# Altium PCB Napelem_inverter.PcbDoc (part 1 of 2)
Units mil, origin at the board's own origin, x right, y up, seen from the top; angles counter-clockwise.
Board outline 6000 x 4000 mil, 2 copper layers (Top Layer, Bottom Layer); 291 components, 168 nets, 931 pads, 64 vias.
Unrouted connection lines stored in the file: 608.
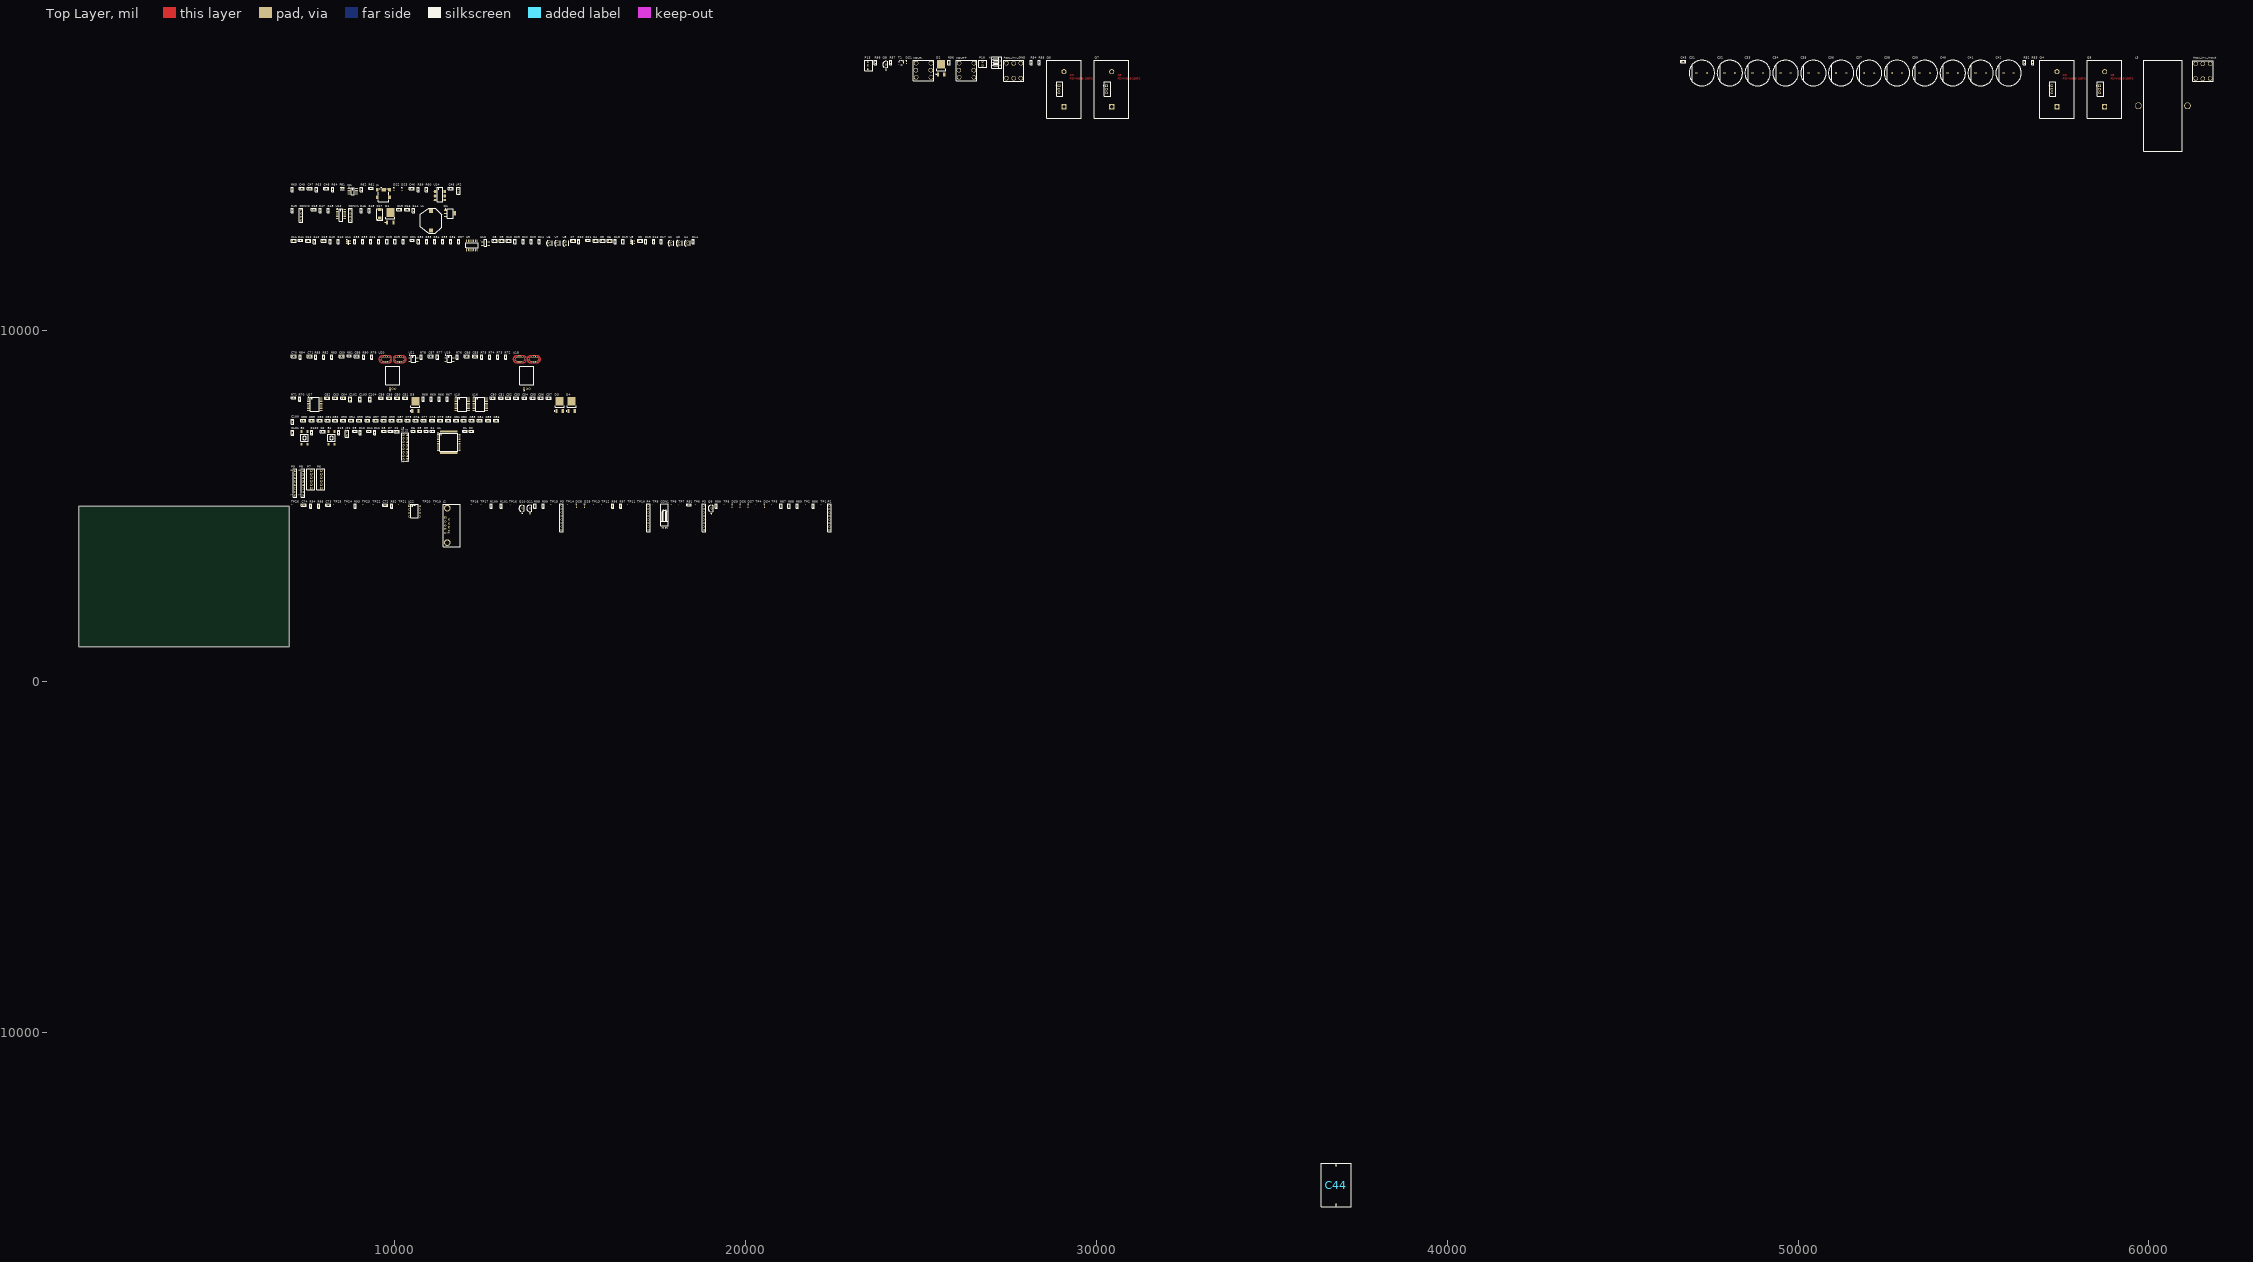
[diagram p0: Top Layer view]
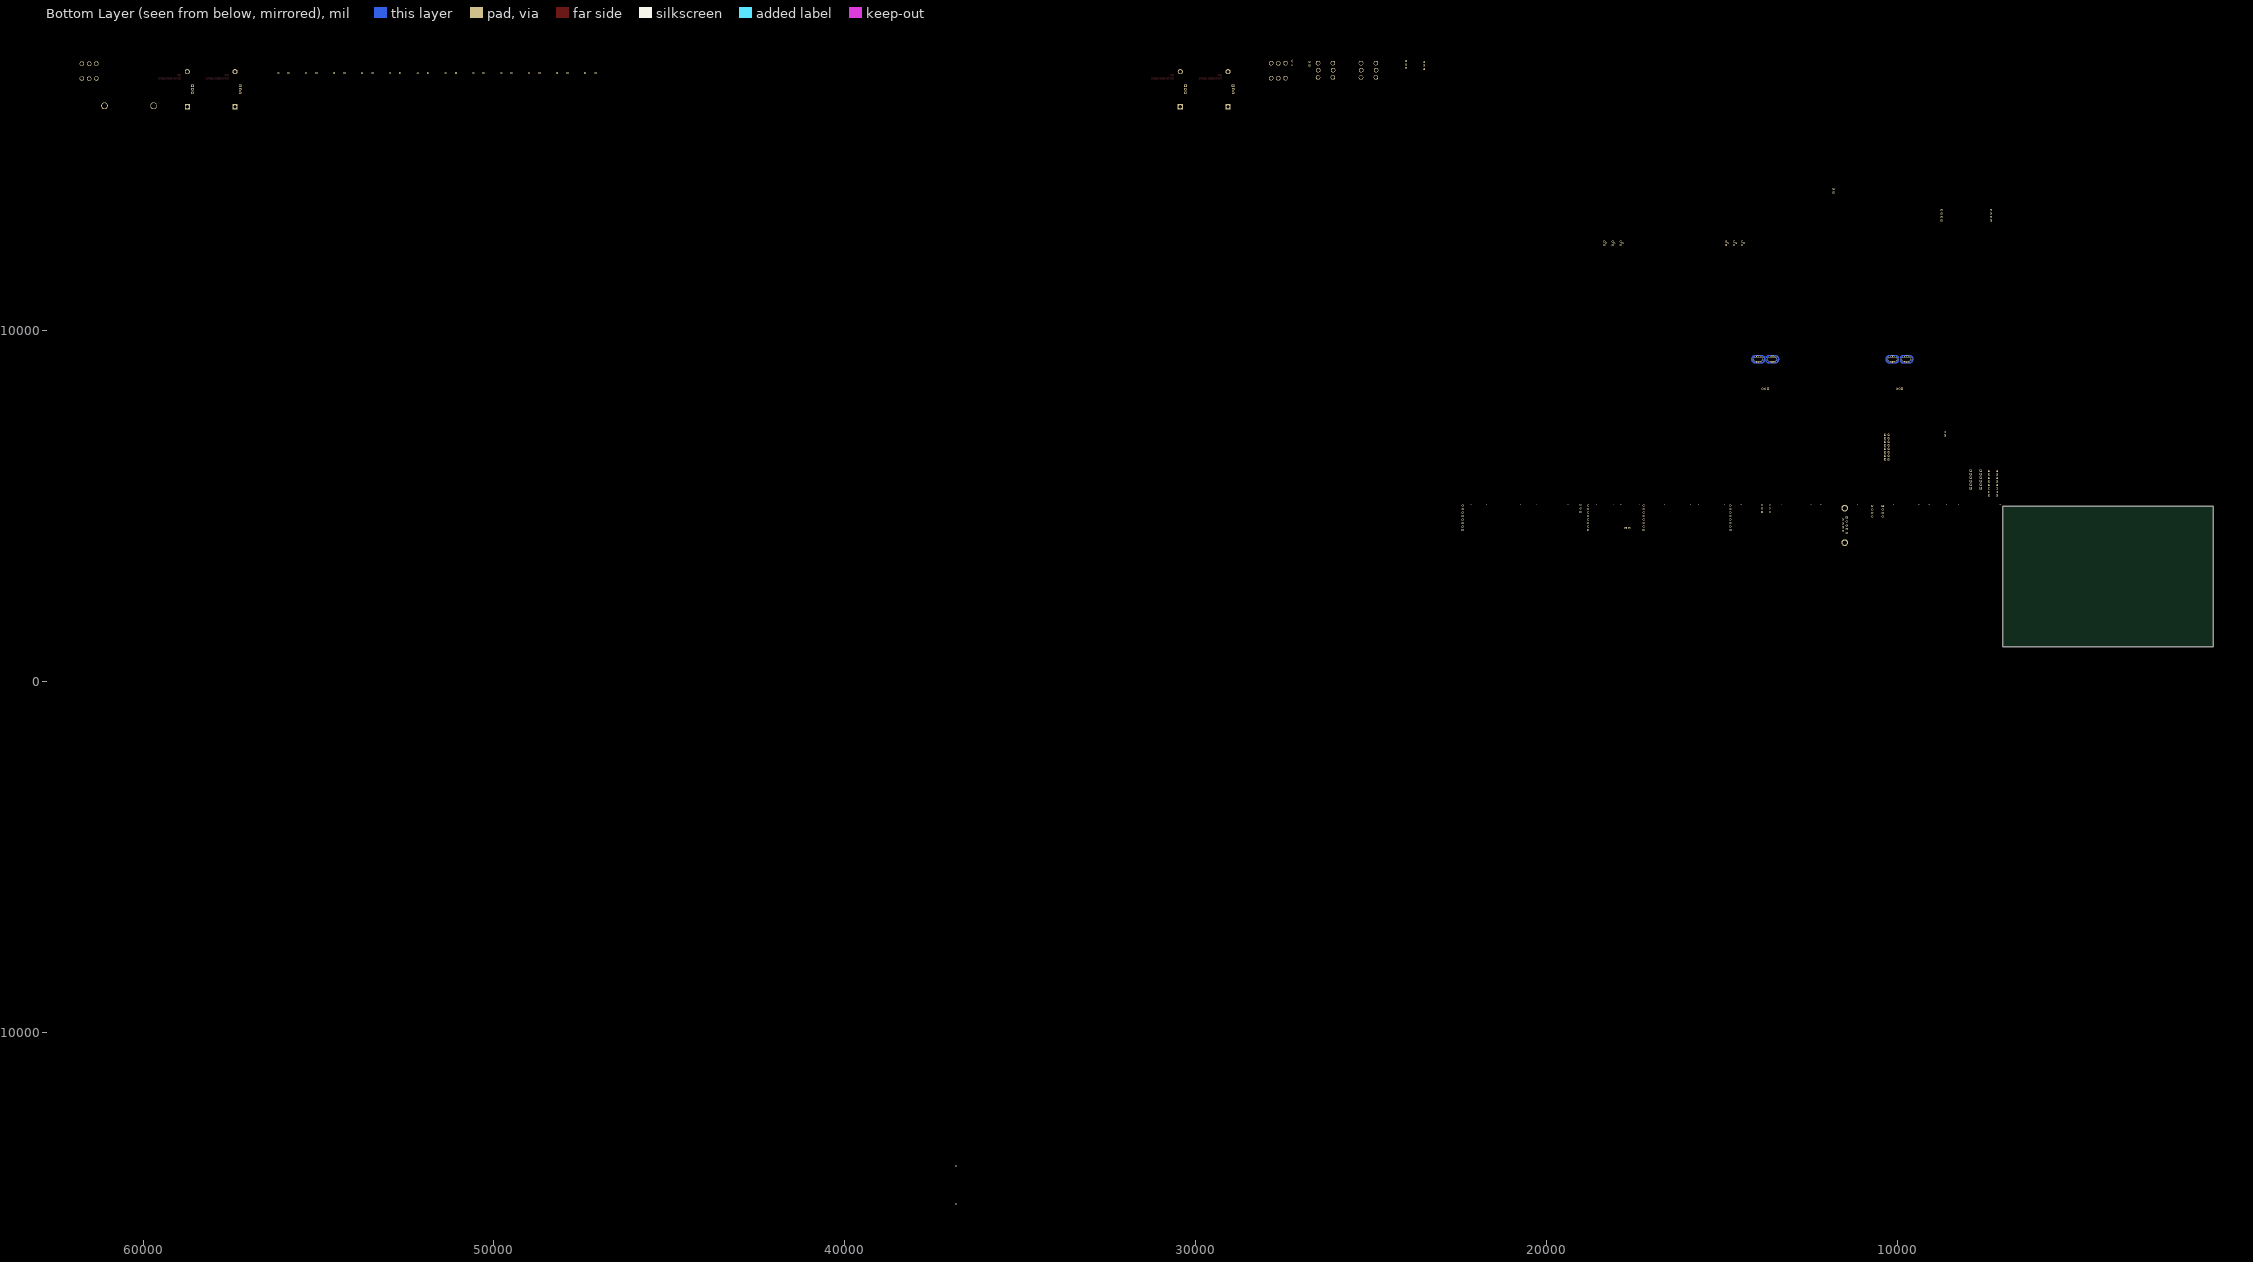
[diagram p1: Bottom Layer view, seen from below]

## Layer stack, top to bottom
Top Solder: solder mask 0.4, Solder Resist, Dk 3.5
Top Layer: signal copper 1.4
Dielectric 1: dielectric 12.6, FR-4, Dk 4.8
Bottom Layer: signal copper 1.4
Bottom Solder: solder mask 0.4, Solder Resist, Dk 3.5

## Board outline
1000,1000 7000,1000 7000,5000 1000,5000

## Design rules (kind name [scope] priority, off if disabled: settings)
Clearance [All] p1: gap=10 ignorepadtopadclearanceinfootprint=FALSE except(0: Arc-Hole Track-Hole SMDPad-Hole THPad-Hole Via-Hole Fill-Hole Poly-Hole Region-Hole Text-Hole)
PolygonConnect [All] p1: connectstyle=Relief reliefconductorwidth=10 reliefentries=4 polygonreliefangle="90 Angle" airgapwidth=10
RoomDefinition USB_and_FTDI [InComponentClass('USB_and_FTDI')] p1: confinementstyle=ConfineIn formatcopy=TRUE lockcomponents=FALSE outline 7045,13660 11950,13660 11950,14210 7045,14210
RoomDefinition PowerSupply [InComponentClass('PowerSupply')] p2: confinementstyle=ConfineIn formatcopy=TRUE lockcomponents=FALSE outline 7045,12765 11780,12765 11780,13610 7045,13610
RoomDefinition Measurements [InComponentClass('Measurements')] p3: confinementstyle=ConfineIn formatcopy=TRUE lockcomponents=FALSE outline 7045,12260 18660,12260 18660,12720 7045,12720
RoomDefinition Inverter [InComponentClass('Inverter')] p4: confinementstyle=ConfineIn formatcopy=TRUE lockcomponents=FALSE outline 23380,4670.43 62060,4670.43 62060,37475.43 23380,37475.43
RoomDefinition Hall_sensor [InComponentClass('Hall_sensor')] p5: confinementstyle=ConfineIn formatcopy=TRUE lockcomponents=FALSE outline 7045,8285 14180,8285 14180,9430 7045,9430
RoomDefinition Gate-Driver [InComponentClass('Gate-Driver')] p6: confinementstyle=ConfineIn formatcopy=TRUE lockcomponents=FALSE outline 7045,7645 15190,7645 15190,8235 7045,8235
RoomDefinition DSP_Supply [InComponentClass('DSP_Supply')] p7: confinementstyle=ConfineIn formatcopy=TRUE lockcomponents=FALSE outline 7045,7335 13010,7335 13010,7595 7045,7595
RoomDefinition DSP [InComponentClass('DSP')] p8: confinementstyle=ConfineIn formatcopy=TRUE lockcomponents=FALSE outline 7045,6230 12265,6230 12265,7280 7045,7280
RoomDefinition Display [InComponentClass('Display')] p9: confinementstyle=ConfineIn formatcopy=TRUE lockcomponents=FALSE outline 7045,5240 8030,5240 8030,6180 7045,6180
RoomDefinition Connectors [InComponentClass('Connectors')] p10: confinementstyle=ConfineIn formatcopy=TRUE lockcomponents=FALSE outline 7045,3835 22470,3835 22470,5185 7045,5185
RoutingVias [All] p1: holewidth=28 width=50 viastyle="Through Hole" minholewidth=28 minwidth=50 maxholewidth=28 maxwidth=50
SolderMaskExpansion [All] p1: expansion=4 istentingtop=FALSE
Width [All] p1: maxlimit=10 minlimit=10 preferedwidth=10
30 further rules are at their usual default settings.

## Classes and differential pairs
component class USB_and_FTDI: C45 C46 C47 C48 C49 DS2 DS3 FB1 IC1 J1 JP2 R59 R60 R61 R62 R63 R64 R65 U14
component class PowerSupply: C14 C15 C16 C17 C18 CONV1 CONV2 D1 L1 Q1 R44 R45 R46 R47 R48 R49 U12
component class Measurements: C3 C4 C5 C6 C7 C8 C9 C10 C11 C12 C13 R14 R15 R16 R17 R18 R19 R20 R21 R22 R23 R24 R25 R26 R27 R28 R29 R30 R31 R32 R33 R34 R35 R36 R37 R38 R39 R40 R41 R42 R43 U2 U3 U4 U5 U6 U7 U8 U9 U10 U11
component class Inverter: Accu_Inv_GND Accu_Inv_Input C31 C32 C33 C34 C35 C36 C37 C38 C39 C40 C41 C42 C43 C44 D2 DS1 K L3 P10 P13 Q4 Q5 Q6 Q7 Q8 R52 R53 R54 R55 R56 R57 R58 T1 VOUT+ VOUT-
component class Hall_sensor: C65 C66 C67 C68 C69 C70 C71 R72 R73 R74 R75 R76 R77 R78 R79 R80 R81 R82 R83 R84 R85 U18 U19 U20 U21
component class Gate-Driver: C50 C51 C52 C53 C54 C55 C56 C57 C58 C59 C60 C61 C62 C63 C64 C102 C103 C104 D3 D4 D5 R66 R67 R68 R69 R70 R71 U15 U16 U17
component class DSP: B1 B2 C1 C2 C101 J3 JP1 R1 R2 R3 R4 R5 R6 R7 R8 R9 R10 R11 R12 R13 R102 U1
component class DSP_Supply: C75 C76 C77 C78 C79 C80 C81 C82 C83 C84 C85 C86 C87 C88 C89 C90 C91 C92 C93 C94 C95 C96 C97 C98 C99 C100
component class Display: P6 P7 P8 P9
component class Connectors: C72 C73 C74 CON1 DS4 DS5 DS6 DS7 DS8 DS9 J2 P2 P3 P4 P5 Q9 Q10 Q11 R86 R87 R88 R89 R90 R91 R92 R93 R94 R95 R96 R97 R98 R99 R100 R101 TP1 TP2 TP3 TP4 TP5 TP6 TP7 TP8 TP9 TP10 TP11 TP12 TP13 TP14 TP15 TP16 TP17 TP18 TP19 TP20 TP21 TP22 TP23 TP24 TP25 TP26 U22
component class BoostConverter: F1

## Components (designator, comment, footprint, x,y, rotation, side; value= is the part's Value field where it differs from the comment)
Accu_Inv_GND "Terminal_PCB" Terminal_PCB_7798 27645,17415.43 r90 top
Accu_Inv_Input "Terminal_PCB" Terminal_PCB_7798 61540,17405.43 r90 top
B1 "Button" FP_BTN_SMD 8205,6950 r0 top
B2 "Button" FP_BTN_SMD 7435,6950 r0 top
C1 "100nF" FP_0805_CAP_085 10070,7130 r0 top
C2 "100nF" FP_0805_CAP_085 7960,7130 r0 top
C3 "2.2nF" FP_0805_CAP_085 17005,12570 r0 top
C4 "22uF" FP_0805_CAP_085 15730,12570 r0 top
C5 "22uF" FP_0805_CAP_085 15930,12570 r0 top
C6 "22uF" FP_0805_CAP_085 16130,12570 r0 top
C7 "2.2nF" FP_0805_CAP_085 15090,12570 r0 top
C8 "22uF" FP_0805_CAP_085 12860,12570 r0 top
C9 "22uF" FP_0805_CAP_085 13060,12570 r0 top
C10 "22uF" FP_0805_CAP_085 13255,12570 r0 top
C11 "2,2nF" FP_0805_CAP_085 7125,12570 r0 top
C12 "2,2nF" FP_0805_CAP_085 7540,12570 r0 top
C13 "2,2nF" FP_0805_CAP_085 7990,12570 r0 top
C15 "220nF" FP_0805_CAP_085 10140,13460 r0 top
C16 "220nF" FP_0805_CAP_085 10360,13460 r0 top
C17 "T491X107K020AT" KEMT-7343-43_L 9580,13340 r90 top
C18 "2.2nF" FP_0805_CAP_085 7705,13460 r0 top
C31 "330 uF" FP-LXW18X25-MFG 47260,17350.43 r0 top
C32 "330 uF" FP-LXW18X25-MFG 48055,17350.43 r0 top
C33 "330 uF" FP-LXW18X25-MFG 48850,17350.43 r0 top
C34 "330 uF" FP-LXW18X25-MFG 49645,17350.43 r0 top
C35 "330 uF" FP-LXW18X25-MFG 50440,17350.43 r0 top
C36 "330 uF" FP-LXW18X25-MFG 51230,17350.43 r0 top
C37 "330 uF" FP-LXW18X25-MFG 52025,17350.43 r0 top
C38 "330 uF" FP-LXW18X25-MFG 52820,17350.43 r0 top
C39 "330 uF" FP-LXW18X25-MFG 53615,17350.43 r0 top
C40 "330 uF" FP-LXW18X25-MFG 54410,17350.43 r0 top
C41 "330 uF" FP-LXW18X25-MFG 55205,17350.43 r0 top
C42 "330 uF" FP-LXW18X25-MFG 56000,17350.43 r0 top
C43 "220nF" FP_0805_CAP_085 46730,17680.43 r0 top
C44 "CAP_AC_68uF" Capacitor_AC_68_uF -83664,105619.43 r90 top
C45 "100nF" FP_0805_CAP_085 11605,14060 r0 top
C46 "100nF" FP_0805_CAP_085 10490,14060 r0 top
C47 "100nF" FP_0805_CAP_085 7590,14060 r0 top
C48 "100pF" FP_0805_CAP_085 8050,14060 r0 top
C49 "10nF" FP_0805_CAP_085 7355,14060 r0 top
C50 "100nF" FP_0805_CAP_085 12805,8085 r0 top
C51 "1uF" FP_0805_CAP_085 13035,8085 r0 top
C52 "100nF" FP_0805_CAP_085 13245,8085 r0 top
C53 "1uF" FP_0805_CAP_085 13475,8085 r0 top
C54 "100nF" FP_0805_CAP_085 13705,8085 r0 top
C55 "1uF" FP_0805_CAP_085 13935,8085 r0 top
C56 "100nF" FP_0805_CAP_085 14165,8085 r0 top
C57 "1uF" FP_0805_CAP_085 14395,8085 r0 top
C58 "100nF" FP_0805_CAP_085 9615,8085 r0 top
C59 "1uF" FP_0805_CAP_085 9845,8085 r0 top
C60 "100nF" FP_0805_CAP_085 10075,8085 r0 top
C61 "1uF" FP_0805_CAP_085 10305,8085 r0 top
C62 "100nF" FP_0805_CAP_085 8080,8085 r0 top
C63 "100nF" FP_0805_CAP_085 8315,8085 r0 top
C64 "100nF" FP_0805_CAP_085 8545,8085 r0 top
C65 "1nF" FP_0805_CAP_085 12295,9280 r0 top
C66 "100nF" FP_0805_CAP_085 12060,9280 r0 top
C67 "100nF" FP_0805_CAP_085 11035,9280 r0 top
C68 "100nF" FP_0805_CAP_085 8930,9280 r0 top
C69 "68nF" FP_0805_CAP_085 8490,9280 r0 top
C70 "100nF" FP_0805_CAP_085 7125,9280 r0 top
C71 "100nF" FP_0805_CAP_085 7590,9280 r0 top
C72 "100pF" FP_0805_CAP_085 9730,5035 r0 top
C73 "30pF" FP_0805_CAP_085 8110,5035 r0 top
C74 "100nF" FP_0805_CAP_085 7420,5035 r0 top
C75 "2.2uF" FP_0805_CAP_085 10380,7445 r0 top
C76 "100nF" FP_0805_CAP_085 10610,7445 r0 top
C77 "2.2uF" FP_0805_CAP_085 10840,7445 r0 top
C78 "100nF" FP_0805_CAP_085 11070,7445 r0 top
C79 "2.2uF" FP_0805_CAP_085 11300,7445 r0 top
C80 "100nF" FP_0805_CAP_085 11530,7445 r0 top
C81 "2.2uF" FP_0805_CAP_085 11760,7445 r0 top
C82 "100nF" FP_0805_CAP_085 11970,7445 r0 top
C83 "2.2uF" FP_0805_CAP_085 12205,7445 r0 top
C84 "100nF" FP_0805_CAP_085 12435,7445 r0 top
C85 "2.2uF" FP_0805_CAP_085 12665,7445 r0 top
C86 "100nF" FP_0805_CAP_085 12895,7445 r0 top
C87 "100nF" FP_0805_CAP_085 10150,7445 r0 top
C88 "1uF" FP_0805_CAP_085 7405,7445 r0 top
C89 "100nF" FP_0805_CAP_085 7635,7445 r0 top
C90 "1uF" FP_0805_CAP_085 7870,7445 r0 top
C91 "100nF" FP_0805_CAP_085 8100,7445 r0 top
C92 "1uF" FP_0805_CAP_085 8310,7445 r0 top
C93 "100nF" FP_0805_CAP_085 8540,7445 r0 top
C94 "1uF" FP_0805_CAP_085 8770,7445 r0 top
C95 "100nF" FP_0805_CAP_085 9000,7445 r0 top
C96 "1uF" FP_0805_CAP_085 9230,7445 r0 top
C97 "100nF" FP_0805_CAP_085 9460,7445 r0 top
C98 "1uF" FP_0805_CAP_085 9690,7445 r0 top
C99 "100nF" FP_0805_CAP_085 9920,7445 r0 top
C100 "100nF" FP_0805_CAP_085 7095,7415 r90 top
C101 "100nF" FP_0805_CAP_085 7095,7100 r90 top
C102 "100nF" FP_0805_CAP_085 8740,8055 r90 top
C103 "100nF" FP_0805_CAP_085 9020,8055 r90 top
C104 "100nF" FP_0805_CAP_085 9300,8055 r90 top
CON1 "Connector" FP_CONN2_TAP_254MM_90 17745,4380 r90 top
CONV1 "DCDC_converter_4pin" FP_CONN4_TUSKE_254MM 8745,13145 r0 top
CONV2 "DCDC_converter_4pin" FP_CONN4_TUSKE_254MM 7340,13145 r0 top
D1 "MBRD360T4G" ONSC-DPAK-3-369C-01_V 9880,13265 r90 top
D2 "MBRD360T4G" ONSC-DPAK-3-369C-01_V 25580,17485.43 r90 top
D3 "MBRD360T4G" ONSC-DPAK-3-369C-01_V 14705,7890 r90 top
D4 "MBRD360T4G" ONSC-DPAK-3-369C-01_V 15045,7890 r90 top
D5 "MBRD360T4G" ONSC-DPAK-3-369C-01_V 10595,7890 r90 top
DS1 "HSMG-C190" AVAG-HSMX-C190_V 24590,17650.43 r90 top
DS2 "HSMG-C190" AVAG-HSMX-C190_V 9980,14030 r90 top
DS3 "RED-HSMS-C190" AVAG-HSMX-C190_V 10210,14030 r90 top
DS4 "RED-HSMS-C190" AVAG-HSMX-C190_V 20540,5005 r90 top
DS5 "HSMG-C190" AVAG-HSMX-C190_V 19620,5005 r90 top
DS6 "HSMG-C190" AVAG-HSMX-C190_V 19850,5005 r90 top
DS7 "HSMG-C190" AVAG-HSMX-C190_V 20080,5005 r90 top
DS8 "RED-HSMS-C190" AVAG-HSMX-C190_V 15185,5005 r90 top
DS9 "RED-HSMS-C190" AVAG-HSMX-C190_V 15415,5005 r90 top
FB1 "BLM18SG221TN1D" FP-BLM18-0_15-t0_5-IPC_A 8515,14060 r0 top
IC1 "USB6B1" "INF-P-DSO-8-3_M - duplicate1" 8810,13980 r0 top
J1 "USB_MIN" FCI-10033526-N3212LF_V 9685,13915 r0 top
J2 "618009231121" 618009231121 11630,4460 r90 top
J3 "61301621121" 61301621121 10305,6690 r90 top
JP1 "JUMPER" FP_CONN2_TUSKE_254MM 8650,7020 r0 top
JP2 "JUMPER" FP_CONN2_TUSKE_254MM 11820,13950 r0 top
K "RELAY_SRD-05VDC-SL-C" FP_CONN3_2MM_90 27265,17575.43 r90 top
L1 "47 uH/2.6 A" "Tekercs_B82479-A1473-M - duplicate" 11040,13140 r90 top
L3 "Coil" Tekercs_E65_FERRITE 60400,16415.43 r0 top value="14.9 uF"
P2 "Header 8" HDR1X8 22395,4325 r90 top
P3 "Header 8" HDR1X8 18815,4325 r90 top
P4 "Header 8" HDR1X8 17235,4325 r90 top
P5 "Header 8" HDR1X8 14765,4325 r90 top
P6 "640456-6" TECO-640456-6_V 7915,5520 r90 top
P7 "640456-6" TECO-640456-6_V 7630,5520 r90 top
P8 "61300811121" 61300811121 7390,5660 r90 top
P9 "61300811121" 61300811121 7165,5660 r90 top
P10 "Output Connector" FP_CONN2_TAP_254MM 26755,17570.43 r0 top
P13 "Connector" FP_CONN3_TAP_254MM 23495,17470.43 r0 top
Q1 "BSP613P" INF-PG-SOT223_SC-73_M 11585,13350 r0 top
Q4 "PSMN8R5-100PS" FP-TO-220AB-MFG 57260,16890.43 r0 top
Q5 "PSMN8R5-100PS" FP-TO-220AB-MFG 58620,16890.43 r0 top
Q6 "PSMN8R5-100PS" FP-TO-220AB-MFG 28960,16890.43 r0 top
Q7 "PSMN8R5-100PS" FP-TO-220AB-MFG 30320,16890.43 r0 top
Q8 "BC548BRL1G" ONSC-TO-92-3-29-11_AM_BL 24005,17590.43 r90 top
Q9 "BC548B" ONSC-TO-92-3-29-11_AM_BL 19030,4945 r90 top
Q10 "BC548B" ONSC-TO-92-3-29-11_AM_BL 13640,4945 r90 top
Q11 "BC548B" ONSC-TO-92-3-29-11_AM_BL 13860,4945 r90 top
R1 "4.7K" FP_0603_RES 12010,7140 r0 top
R2 "4.7K" FP_0603_RES 12190,7140 r0 top
R3 "4.7K" FP_0603_RES 10905,7140 r0 top
R4 "4.7K" FP_0603_RES 11085,7140 r0 top
R5 "4.7K" FP_0603_RES 10720,7140 r0 top
R6 "4.7K" FP_0603_RES 10535,7140 r0 top
R7 "4.7K" FP_0603_RES 9880,7140 r0 top
R8 "1K" FP_0603_RES 9695,7140 r0 top
R9 "2.2K" FP_0603_RES 8870,7140 r0 top
R10 "4.7K" FP_0603_RES 9020,7105 r90 top
R11 "4.7K" FP_0603_RES 9275,7140 r0 top
R12 "4.7K" FP_0603_RES 9440,7105 r90 top
R13 "100" FP_0603_RES 8410,7105 r90 top
R14 "680" FP_0603_RES 18515,12545 r90 top
R15 "10K" FP_0603_RES 17165,12545 r90 top
R16 "10K" FP_0603_RES 17385,12545 r90 top
R17 "10K" FP_0603_RES 17605,12545 r90 top
R18 "10K" FP_0603_RES 16290,12545 r90 top
R19 "10K" FP_0603_RES 16510,12545 r90 top
R20 "10K" FP_0603_RES 15250,12545 r90 top
R21 "10K" FP_0603_RES 15510,12580 r0 top
R22 "10K" FP_0603_RES 13665,12545 r90 top
R23 "10K" FP_0603_RES 13895,12545 r90 top
R24 "10K" FP_0603_RES 14125,12545 r90 top
R25 "680" FP_0603_RES 13435,12545 r90 top
R26 "10K" FP_0603_RES 9325,12545 r90 top
R27 "10K" FP_0603_RES 9555,12545 r90 top
R28 "10K" FP_0603_RES 9785,12545 r90 top
R29 "10K" FP_0603_RES 10015,12545 r90 top
R30 "10K" FP_0603_RES 10245,12545 r90 top
R31 "10K" FP_0603_RES 10505,12580 r0 top
R32 "10K" FP_0603_RES 10685,12545 r90 top
R33 "10K" FP_0603_RES 10915,12545 r90 top
R34 "10K" FP_0603_RES 11145,12545 r90 top
R35 "10K" FP_0603_RES 11375,12545 r90 top
R36 "10K" FP_0603_RES 11605,12545 r90 top
R37 "10K" FP_0603_RES 11835,12545 r90 top
R38 "120K" FP_0603_RES 8865,12545 r90 top
R39 "220K" FP_0603_RES 9095,12545 r90 top
R40 "20K" FP_0603_RES 8400,12545 r90 top
R41 "10K" FP_0603_RES 7320,12580 r0 top
R42 "10K" FP_0603_RES 7720,12545 r90 top
R43 "10K" FP_0603_RES 8170,12545 r90 top
R44 "47m" FP_0603_RES 10540,13435 r90 top
R45 "400K" FP_0603_RES 9285,13435 r90 top
R46 "100K" FP_0603_RES 9055,13435 r90 top
R47 "20K" FP_0603_RES 7885,13435 r90 top
R48 "20K" FP_0603_RES 8115,13435 r90 top
R49 "680" FP_0603_RES 7085,13435 r90 top
R52 "3.3K" FP_0603_RES 56455,17655.43 r90 top
R53 "3.3K" FP_0603_RES 56685,17655.43 r90 top
R54 "3.3K" FP_0603_RES 28150,17655.43 r90 top
R55 "3.3K" FP_0603_RES 28380,17655.43 r90 top
R56 "1K" FP_0603_RES 25805,17655.43 r90 top
R57 "1K" FP_0603_RES 24145,17655.43 r90 top
R58 "1K" FP_0603_RES 23710,17655.43 r90 top
R59 "470" FP_0603_RES 10680,14035 r90 top
R60 "470" FP_0603_RES 10910,14035 r90 top
R61 "4.7K" FP_0603_RES 9325,14070 r0 top
R62 "330R" FP_0603_RES 9060,14035 r90 top
R63 "1K" FP_0603_RES 7775,14035 r90 top
R64 "10K" FP_0603_RES 8240,14035 r90 top
R65 "330R" FP_0603_RES 7085,14035 r90 top
R66 "1.8" FP_0603_RES 11275,8060 r90 top
R67 "1.8" FP_0603_RES 11505,8060 r90 top
R68 "1.8" FP_0603_RES 10815,8060 r90 top
R69 "1.8" FP_0603_RES 11045,8060 r90 top
R70 "1.8" FP_0603_RES 7295,8060 r90 top
R71 "1.8" FP_0603_RES 7120,8095 r0 top
R72 "3K" FP_0603_RES 13170,9255 r90 top
R73 "220" FP_0603_RES 12940,9255 r90 top
R74 "10K" FP_0603_RES 12715,9255 r90 top
R75 "20K" FP_0603_RES 12485,9255 r90 top
R76 "10K" FP_0603_RES 11790,9255 r90 top
R77 "400" FP_0603_RES 11225,9255 r90 top
R78 "3K" FP_0603_RES 10765,9255 r90 top
R79 "220" FP_0603_RES 9350,9255 r90 top
R80 "10K" FP_0603_RES 9120,9255 r90 top
R81 "20K" FP_0603_RES 8710,9290 r0 top
R82 "10K" FP_0603_RES 7985,9255 r90 top
R83 "22K" FP_0603_RES 8215,9255 r90 top
R84 "20K" FP_0603_RES 7315,9255 r90 top
R85 "10K" FP_0603_RES 7755,9255 r90 top
R86 "680R" FP_0603_RES 21935,5010 r90 top
R87 "680R" FP_0603_RES 21015,5010 r90 top
R88 "1K" FP_0603_RES 21245,5010 r90 top
R89 "2,2K" FP_0603_RES 21475,5010 r90 top
R90 "1K" FP_0603_RES 19170,5010 r90 top
R91 "1K" FP_0603_RES 18390,5045 r0 top
R92 "120" FP_0603_RES 9920,5010 r90 top
R93 "10K" FP_0603_RES 8880,5010 r90 top
R94 "10K" FP_0603_RES 7610,5010 r90 top
R95 "10K" FP_0603_RES 7840,5010 r90 top
R96 "680R" FP_0603_RES 16215,5010 r90 top
R97 "680R" FP_0603_RES 16445,5010 r90 top
R98 "1K" FP_0603_RES 14005,5010 r90 top
R99 "1K" FP_0603_RES 14235,5010 r90 top
R100 "1K" FP_0603_RES 12760,5010 r90 top
R101 "1K" FP_0603_RES 13040,5010 r90 top
R102 "1K" FP_0603_RES 7640,7105 r90 top
T1 "Transformator" TDK-ALT3232_V 24445,17655.43 r0 top
TP1 "TestPoint" Test_Point 22155,5055 r90 top
TP2 "TestPoint" Test_Point 21690,5055 r90 top
TP3 "TestPoint" Test_Point 20770,5055 r90 top
TP4 "TestPoint" Test_Point 20310,5055 r90 top
TP5 "TestPoint" Test_Point 19390,5055 r90 top
TP6 "TestPoint" Test_Point 18555,5055 r90 top
TP7 "TestPoint" Test_Point 18115,5055 r90 top
TP8 "TestPoint" Test_Point 17885,5055 r90 top
TP9 "TestPoint" Test_Point 17375,5055 r90 top
TP10 "TestPoint" Test_Point 16925,5055 r90 top
TP11 "TestPoint" Test_Point 16665,5055 r90 top
TP12 "TestPoint" Test_Point 15925,5055 r90 top
TP13 "TestPoint" Test_Point 15645,5055 r90 top
TP14 "TestPoint" Test_Point 14905,5055 r90 top
TP15 "TestPoint" Test_Point 14455,5055 r90 top
TP16 "TestPoint" Test_Point 13285,5055 r90 top
TP17 "TestPoint" Test_Point 12465,5055 r90 top
TP18 "TestPoint" Test_Point 12185,5055 r90 top
TP19 "TestPoint" Test_Point 11115,5055 r90 top
TP20 "TestPoint" Test_Point 10825,5055 r90 top
TP21 "TestPoint" Test_Point 10140,5055 r90 top
TP22 "TestPoint" Test_Point 9390,5055 r90 top
TP23 "TestPoint" Test_Point 9100,5055 r90 top
TP24 "TestPoint" Test_Point 8580,5055 r90 top
TP25 "TestPoint" Test_Point 8285,5055 r90 top
TP26 "TestPoint" Test_Point 7075,5055 r90 top
U1 "TMS320F28069PZT" PZ0100A_N 11545,6830 r0 top
U2 "MCP9700-E/TO" FP-C04-101-MFG 17880,12500 r0 top
U3 "MCP9700-E/TO" FP-C04-101-MFG 18110,12500 r0 top
U4 "MCP9700-E/TO" FP-C04-101-MFG 18340,12500 r0 top
U5 "MCP6001RT-I/OT" SOT-23-OT5_M 16785,12530 r0 top
U6 "MCP9700-E/TO" FP-C04-101-MFG 14415,12500 r0 top
U7 "MCP9700-E/TO" FP-C04-101-MFG 14645,12500 r0 top
U8 "MCP9700-E/TO" FP-C04-101-MFG 14875,12500 r0 top
U9 "LM324M" FP_SOIC14 12055,12310 r0 top
U10 "LM358DR2G" FP-751-07-IPC_C 12595,12510 r0 top
U11 "MCP6001RT-I/OT" SOT-23-OT5_M 8685,12530 r0 top
U12 "TLE6389-2G V50" INF-PG-DSO-14-1_M 8475,13305 r0 top
U14 "FTDI" SSOP-28_N 11295,13885 r0 top
U15 "2EDS8265HXUMA2" EXAR-WSOIC-16_N 11930,7910 r0 top
U16 "2EDS8265HXUMA2" EXAR-WSOIC-16_N 12445,7910 r0 top
U17 "2EDS8265HXUMA2" EXAR-WSOIC-16_N 7725,7910 r0 top
U18 "ACS758LCB-200B-PFF-T" FP-CB-5-PFF-MFG 13770,8730 r0 top
U19 "LM393DR2G" ONSC-SOIC-8-751-07_V 11565,9205 r0 top
U20 "ACS758LCB-50B-PFF-T" FP-CB-5-PFF-MFG 9945,8730 r0 top
U21 "LM393DR2G" ONSC-SOIC-8-751-07_V 10540,9205 r0 top
U22 "MCP2551-I/P" PDIP300-P8 10570,4865 r0 top
VOUT+ "Terminal_PCB" Terminal_PCB_7798 26300,17430.43 r0 top
VOUT- "Terminal_PCB" Terminal_PCB_7798 25075,17430.43 r0 top

## Footprints (in the part's own frame and the unit in brackets; to place one, negate y for a bottom-side part, rotate by r counter-clockwise, add the part's x,y. Pads: shape width x height; smd on the part's side, far side on the other; paste and mask are expansions set on the pad)
61300811121 [mm] "Pin Header, pitch 2.54 mm, THT, Vertical, single row, 8p"
  rect 1.6x1.6 hole 1.1: 1(-8.89,0)
  round 1.6 hole 1.1: 2(-6.35,0) 3(-3.81,0) 4(-1.27,0) 5(1.27,0) 6(3.81,0) 7(6.35,0) 8(8.89,0)
  silkscreen extent -10.31,-1.35 10.31,1.35, body extent -10.16,-1.27 10.16,1.27, height 8.57
61301621121 [mm] "Pin Header, pitch 2.54 mm, THT, Vertical, dual row, 16p"
  rect 1.65x1.65 hole 1.1: 1(-8.89,-1.27)
  round 1.65 hole 1.1: 2(-8.89,1.27) 3(-6.35,-1.27) 4(-6.35,1.27) 5(-3.81,-1.27) 6(-3.81,1.27) 7(-1.27,-1.27) 8(-1.27,1.27) 9(1.27,-1.27) 10(1.27,1.27) 11(3.81,-1.27) 12(3.81,1.27) 13(6.35,-1.27) 14(6.35,1.27) 15(8.89,-1.27) 16(8.89,1.27)
  silkscreen extent -10.31,-2.62 10.31,2.62, body extent -10.16,-2.54 10.16,2.54, height 8.59
618009231121 [mm] "9 pins, right angled, 8.08mm, with hex screw"
  rect 1.5x1.5 hole 1: 1(5.54,4.67)
  round 1.5 hole 1: 2(2.77,4.67) 3(0,4.67) 4(-2.77,4.67) 5(-5.54,4.67) 6(4.155,1.83) 7(1.385,1.83) 8(-1.385,1.83) 9(-4.155,1.83)
  round 4.8 hole 3.2: M1(-12.5,3.25) M2(12.5,3.25)
  silkscreen extent -15.4,-6.25 15.4,6.25, body extent -15.4,-12.25 15.4,6.25, height 12.55
AVAG-HSMX-C190_V [mm] "SMD, 2-Leads, Body 1.6x0.8mm, Height 0.9mm"
  rect 0.8x0.8 smd: 1(-0.75,0) 2(0.75,0)
  silkscreen extent 1.65,-0.4 1.65,0.4, body extent -0.8,-0.4 0.8,0.4, height 0.9
Capacitor_AC_68_uF [mil]
  round 55 hole 35: 1(-120503.27,-120503.27) 2(-119418.27,-120503.27)
  silkscreen extent -120581,-120933 -119341,-120073
EXAR-WSOIC-16_N [mm] "SOIC, 16-Leads, Body 10.30x7.50mm, Pitch 1.27mm, IPC Medium Density"
  oval 2.1x0.6 smd: 1(-4.575,4.445) 2(-4.575,3.175) 3(-4.575,1.905) 4(-4.575,0.635) 5(-4.575,-0.635) 6(-4.575,-1.905) 7(-4.575,-3.175) 8(-4.575,-4.445) 9(4.575,-4.445) 10(4.575,-3.175) 11(4.575,-1.905) 12(4.575,-0.635) 13(4.575,0.635) 14(4.575,1.905) 15(4.575,3.175) 16(4.575,4.445)
  silkscreen extent -4.7,-5.15 3.13,5.42, body extent -3.75,-5.15 3.75,5.15, height 2.65
FCI-10033526-N3212LF_V [mm] "SMD, 5-Leads, Body 9.2x7.7mm, Pitch 0.8mm"
  rect 0.5x2.25 smd: 1(-1.6,2.788) 2(-0.8,2.788) 3(0,2.788) 4(0.8,2.788) 5(1.6,2.788)
  rect 2x2.5 smd: 6(-4.45,2.663) 7(4.45,2.663) 8(-4.45,-2.787) 9(4.45,-2.787)
  round 0 hole 0.9 unplated: MH1(-2.2,0.083) MH2(2.2,0.083)
  silkscreen extent -3.85,-5.77 3.85,4.59, body extent -4.95,-5.77 4.95,3.63, height 4.02
FP-751-07-IPC_C [mil]
  rect 73.78x21.39 smd paste+0 mask+0: 1(-91.18,75)
  rrect100% 73.78x21.39 smd paste+0 mask+0: 2(-91.18,25) 3(-91.18,-25) 4(-91.18,-75) 5(91.18,-75) 6(91.18,-25) 7(91.18,25) 8(91.18,75)
  silkscreen extent -157,-96 35,96, body extent -132,-100 132,100, height 10
FP-BLM18-0_15-t0_5-IPC_A [mil]
  rect 51.42x41.66 smd paste+0 mask+0: 1(-30.55,0) 2(30.55,0)
  silkscreen extent -56,-37 56,37, body extent -76,-41 76,41, height 10
FP-C04-101-MFG [mm]
  round 1.45 hole 0.95 paste-1000 mask+0: 1(0.286,-1.27) 2(-0.984,0) 3(0.286,1.27)
  silkscreen extent -2.17,-2.01 2.13,2.01
FP-CB-5-PFF-MFG [mm]
  rect 1.5x1.5 hole 0.8 paste-1000 mask+0: 1(-1.91,-9.59)
  round 1.5 hole 0.8 paste-1000 mask+0: 2(0,-9.59) 3(1.91,-9.59)
  rrect100% 6.6x2.6 hole 2 slot 6 at 0 deg paste-1000 mask+0: 4(5,11.809) 5(-5,11.809)
  round 5.4 smd paste-1000 mask+0: 4(5.099,11.809) 5(-5.25,11.809)
  round 5.4 smd far side paste-1000 mask+0: 4(5.099,11.809) 5(-5.25,11.809)
  Top Layer region: 0.5,13.468 1.581,14.453 3,14.809 3,14.809 7,14.81 8.302,14.512 9.345,13.68 9.925,12.477 9.925,11.142 9.345,9.939 8.302,9.107 7,8.809 7,8.809 3,8.809 1.581,9.166 0.5,10.151 0.5,10.151
  Top Layer region: -0.5,10.151 -1.581,9.166 -3,8.81 -3,8.81 -7,8.809 -8.302,9.107 -9.345,9.939 -9.925,11.142 -9.925,12.477 -9.345,13.68 -8.302,14.512 -7,14.809 -7,14.81 -3,14.81 -1.581,14.453 -0.5,13.468 -0.5,13.468
  Bottom Layer region: 0.5,13.468 1.581,14.453 3,14.809 3,14.809 7,14.81 8.302,14.512 9.345,13.68 9.925,12.477 9.925,11.142 9.345,9.939 8.302,9.107 7,8.809 7,8.809 3,8.809 1.581,9.166 0.5,10.151 0.5,10.151
  Bottom Layer region: -0.5,10.151 -1.581,9.166 -3,8.81 -3,8.81 -7,8.809 -8.302,9.107 -9.345,9.939 -9.925,11.142 -9.925,12.477 -9.345,13.68 -8.302,14.512 -7,14.809 -7,14.81 -3,14.81 -1.581,14.453 -0.5,13.468 -0.5,13.468
  silkscreen extent -5.05,-11.04 5.05,6.55, body extent -10.1,-10.44 10.1,14.91, height 0.25
FP-LXW18X25-MFG [mm]
  rect 1.45x1.45 hole 0.95 paste-1000 mask+0: 1(-3.75,0)
  round 1.45 hole 0.95 paste-1000 mask+0: 2(3.75,0)
  silkscreen extent -9.25,-9.25 9.25,9.25, body extent -9.35,-9.35 9.35,9.35, height 0.25
FP-TO-220AB-MFG [mm]
  rect 2x2 hole 1.3 paste-1000 mask+0: 1(-0.647,2.55)
  rect 3.7x3.7 hole 2.45 paste-1000 mask+0: 1(3.048,-12.7)
  round 2 hole 1.3 paste-1000 mask+0: 2(-0.647,0) 3(-0.647,-2.55)
  round 3.7 hole 2.45 paste-1000 mask+0: 2(3.048,12.7)
  Top Layer region: 12.816,-13.418 12.816,-13.418 12.816,-13.418 12.816,-13.418
  Top Layer region: 12.816,-13.418 12.816,-13.418 12.816,-13.418 12.816,-13.418
  Top Layer region: 12.816,-13.418 12.816,-13.418 12.816,-13.418 12.816,-13.418
  silkscreen extent -9.45,-21 15.55,21, body extent -9.55,-21.1 15.65,21.1, height 0.25
FP_0603_RES [mm] "0603 ellenállás"
  rect 0.8x0.95 smd: 1(-0.9,0) 2(0.9,0)
  silkscreen extent -1.6,-0.77 1.6,0.77, body extent -0.8,-0.4 0.8,0.4, height 0.44
FP_0805_CAP_085 [mm] "0805 kapacitás YAGEO 0.85mm magas"
  rect 1x1.3 smd: 1(-1,0) 2(1,0)
  silkscreen extent -1.8,-0.95 1.8,0.95, body extent -1,-0.64 1.03,0.64, height 0.85
FP_BTN_SMD [mm] "SMD Push Button 6x6mm"
  rect 1.4x2.1 smd: 1(2.25,4.55) 2(2.25,-4.55) 3(-2.25,4.55) 4(-2.25,-4.55)
  silkscreen extent -2.67,-2.54 2.67,2.54, body extent -3,-5 3,5, height 5.1
FP_CONN2_TAP_254MM [mm] "álló két pólusú tápcsatlakozó 2.54mm"
  rect 1.5x1.5 hole 1.1: 1(0,0)
  round 1.5 hole 1.1: 2(0,2.54)
  silkscreen extent -2.54,-1.27 3.17,3.81, body extent -2.52,-1.27 3.28,3.81, height 11.56
FP_CONN2_TAP_254MM_90 [mm] "fekvõ két pólusú tápcsatlakozó 2.54mm"
  rect 1.5x1.5 hole 1.1: 1(0,0)
  round 1.5 hole 1.1: 2(0,2.54)
  silkscreen extent 1.7,-1.53 17.7,4.07, body extent -0.33,-1.3 13.5,3.78, height 5.8
FP_CONN2_TUSKE_254MM [mm] "2×1 tüskesor"
  rect 1.5x1.5 hole 1.1: 1(0,0)
  round 1.5 hole 1.1: 2(0,2.54)
  silkscreen extent -1.27,-1.27 1.27,3.81, body extent -1.27,-1.27 1.27,3.81, height 8.54
FP_CONN3_2MM_90 [mm] "fekvõ 3 pólusú csatlakozó 2mm"
  rect 1.2x1.2 hole 0.8: 1(0,0)
  round 1.2 hole 0.8: 2(2,0) 3(4,0)
  silkscreen extent -2.1,-1 6.1,6.2, body extent -2,0.2 6,6.1, height 5
FP_CONN3_TAP_254MM [mm] "álló három pólusú tápcsatlakozó 2.54mm"
  rect 1.5x1.5 hole 1.1: 1(0,0)
  round 1.5 hole 1.1: 2(0,2.54) 3(0,5.08)
  silkscreen extent -2.54,-1.27 3.3,6.35, body extent -2.52,-1.27 3.28,6.35, height 11.56
FP_CONN4_TUSKE_254MM [mm] "4×1 tüskesor"
  rect 1.5x1.5 hole 1.1: 1(0,0)
  round 1.5 hole 1.1: 2(0,2.54) 3(0,5.08) 4(0,7.62)
  silkscreen extent -1.27,-1.27 1.27,8.9, body extent -1.27,-1.27 1.27,8.89, height 8.54
FP_SOIC14 [mil] "SOIC-14 egyesek szerint narrow, RET szerint normál"
  rect 20x80 smd: 1(0,0)
  oval 20x80 smd: 2(50,0) 3(100,0) 4(150,0) 5(200,0) 6(250,0) 7(300,0) 8(300,260) 9(250,260) 10(200,260) 11(150,260) 12(100,260) 13(50,260) 14(0,260)
  silkscreen extent -20,55 325,205, body extent -22,10 322,248, height 63
HDR1X8 [mm] "Connector; Header; 8 Position"
  rect 1.5x1.5 hole 0.9: 1(0,0)
  round 1.5 hole 0.9: 2(2.54,0) 3(5.08,0) 4(7.62,0) 5(10.16,0) 6(12.7,0) 7(15.24,0) 8(17.78,0)
  silkscreen extent -1.27,-1.27 19.05,1.27
"INF-P-DSO-8-3_M - duplicate1" [mm] "SOP, 8-Leads, Body 4.9x3.9mm, Pitch 1.27mm, IPC Low Density"
  oval 2.1x0.7 smd: 1(-2.65,1.905) 2(-2.65,0.635) 3(-2.65,-0.635) 4(-2.65,-1.905) 5(2.65,-1.905) 6(2.65,-0.635) 7(2.65,0.635) 8(2.65,1.905)
  silkscreen extent -2.77,-2.5 1.2,2.93, body extent -2,-2.5 2,2.5, height 1.75
INF-PG-DSO-14-1_M [mm] "SOP, 14-Leads, Body 8.65x3.9mm, Pitch 1.27mm, IPC Low Density"
  oval 1.85x0.7 smd: 1(-2.7,3.81) 2(-2.7,2.54) 3(-2.7,1.27) 4(-2.7,0) 5(-2.7,-1.27) 6(-2.7,-2.54) 7(-2.7,-3.81) 8(2.7,-3.81) 9(2.7,-2.54) 10(2.7,-1.27) 11(2.7,0) 12(2.7,1.27) 13(2.7,2.54) 14(2.7,3.81)
  silkscreen extent -2.82,-4.38 1.38,4.83, body extent -2,-4.38 2,4.38, height 1.75
INF-PG-SOT223_SC-73_M [mm] "SOT223, 4-Leads, Body 6.5x3.5mm, Pitch 2.3mm, IPC Low Density"
  rect 1.9x0.9 smd: 1(-3.35,2.3) 2(-3.35,0) 3(-3.35,-2.3)
  rect 1.9x3.2 smd: 4(3.35,0)
  silkscreen extent -3.47,-3.35 2.1,3.42, body extent -1.85,-3.35 1.85,3.35, height 1.8
KEMT-7343-43_L [mm] "Molded Capacitor, 2-Leads, Body 7.6x4.6mm, IPC High Density"
  rect 2.2x2.35 smd: 1(-2.925,0) 2(2.925,0)
  silkscreen extent -4.52,-2.3 3.8,2.3, body extent -3.8,-2.3 3.8,2.3, height 4.3
ONSC-DPAK-3-369C-01_V [mm] "DPAK, 3-Leads, Body 6.54x6.095mm, Pitch 2.29mm"
  rect 3x1.6 smd: 1(-4.4,2.29) 3(-4.4,-2.29)
  rect 6.2x5.8 smd: 4(2.8,0)
  silkscreen extent -4.52,-3.27 -0.45,3.76, body extent -1.6,-3.27 4.49,3.27, height 2.38
ONSC-SOIC-8-751-07_V [mm] "SOIC, 8-Leads, Body 4.9x3.9mm, Pitch 1.27mm"
  rect 1.52x0.6 smd: 1(-2.74,1.905) 2(-2.74,0.635) 3(-2.74,-0.635) 4(-2.74,-1.905) 5(2.74,-1.905) 6(2.74,-0.635) 7(2.74,0.635) 8(2.74,1.905)
  silkscreen extent -2.86,-2.45 1.58,2.88, body extent -1.95,-2.45 1.95,2.45, height 1.75
ONSC-TO-92-3-29-11_AM_BL [mm] "TO, 3-Leads, Body Dia 4.7mm, Pitch 2.6mm"
  rect 1.4x1.4 hole 0.9: 1(-2.6,0)
  round 1.4 hole 0.9: 2(0,0) 3(2.6,0)
  silkscreen extent -3.97,-1.34 2.13,2.35, body extent -2.84,-1.34 2.84,2.35, height 5.33
PDIP300-P8 [mm] "8-Pin Plastic Dual In-Line Package (PDIP)"
  rect 1.5x1.5 hole 0.9: 1(-3.81,3.81)
  round 1.5 hole 0.9: 2(-3.81,1.27) 3(-3.81,-1.27) 4(-3.81,-3.81) 5(3.81,-3.81) 6(3.81,-1.27) 7(3.81,1.27) 8(3.81,3.81)
  silkscreen extent -3.93,-4.9 2.65,5.23, body extent -3.55,-4.9 3.55,4.9, height 4.32
PZ0100A_N [mm] "QFP,100-Leads, Body 14x14mm, Pitch 0.5mm, IPC Medium Density"
  rrect33% 1.45x0.3 smd: 1(-7.725,6) 2(-7.725,5.5) 3(-7.725,5) 4(-7.725,4.5) 5(-7.725,4) 6(-7.725,3.5) 7(-7.725,3) 8(-7.725,2.5) 9(-7.725,2) 10(-7.725,1.5) 11(-7.725,1) 12(-7.725,0.5) 13(-7.725,0) 14(-7.725,-0.5) 15(-7.725,-1) 16(-7.725,-1.5) 17(-7.725,-2) 18(-7.725,-2.5) 19(-7.725,-3) 20(-7.725,-3.5) 21(-7.725,-4) 22(-7.725,-4.5) 23(-7.725,-5) 24(-7.725,-5.5) 25(-7.725,-6) 51(7.725,-6) 52(7.725,-5.5) 53(7.725,-5) 54(7.725,-4.5) 55(7.725,-4) 56(7.725,-3.5) 57(7.725,-3) 58(7.725,-2.5) 59(7.725,-2) 60(7.725,-1.5) 61(7.725,-1) 62(7.725,-0.5) 63(7.725,0) 64(7.725,0.5) 65(7.725,1) 66(7.725,1.5) 67(7.725,2) 68(7.725,2.5) 69(7.725,3) 70(7.725,3.5) 71(7.725,4) 72(7.725,4.5) 73(7.725,5) 74(7.725,5.5) 75(7.725,6)
  rrect33% 0.3x1.45 smd: 26(-6,-7.725) 27(-5.5,-7.725) 28(-5,-7.725) 29(-4.5,-7.725) 30(-4,-7.725) 31(-3.5,-7.725) 32(-3,-7.725) 33(-2.5,-7.725) 34(-2,-7.725) 35(-1.5,-7.725) 36(-1,-7.725) 37(-0.5,-7.725) 38(0,-7.725) 39(0.5,-7.725) 40(1,-7.725) 41(1.5,-7.725) 42(2,-7.725) 43(2.5,-7.725) 44(3,-7.725) 45(3.5,-7.725) 46(4,-7.725) 47(4.5,-7.725) 48(5,-7.725) 49(5.5,-7.725) 50(6,-7.725) 76(6,7.725) 77(5.5,7.725) 78(5,7.725) 79(4.5,7.725) 80(4,7.725) 81(3.5,7.725) 82(3,7.725) 83(2.5,7.725) 84(2,7.725) 85(1.5,7.725) 86(1,7.725) 87(0.5,7.725) 88(0,7.725) 89(-0.5,7.725) 90(-1,7.725) 91(-1.5,7.725) 92(-2,7.725) 93(-2.5,7.725) 94(-3,7.725) 95(-3.5,7.725) 96(-4,7.725) 97(-4.5,7.725) 98(-5,7.725) 99(-5.5,7.725) 100(-6,7.725)
  silkscreen extent -7.85,-6.6 6.6,6.82, body extent -8,-8 8,8, height 1.6
SOT-23-OT5_M [mm] "SOT23, 5-Leads, Body 2.9x1.7mm, Pitch 0.95mm, Lead Span 2.8mm, IPC Low Density"
  rect 1.3x0.7 smd: 1(-1.2,0.95) 2(-1.2,0) 3(-1.2,-0.95) 4(1.2,-0.95) 5(1.2,0.95)
  silkscreen extent -1.32,-1.55 0.15,1.97, body extent -0.9,-1.55 0.9,1.55, height 1.45
SSOP-28_N [mm] "SOP, 28-Leads, Body 10.2x5.3mm, Pitch 0.65mm, IPC Medium Density"
  oval 2.1x0.35 smd: 1(-3.45,4.225) 2(-3.45,3.575) 3(-3.45,2.925) 4(-3.45,2.275) 5(-3.45,1.625) 6(-3.45,0.975) 7(-3.45,0.325) 8(-3.45,-0.325) 9(-3.45,-0.975) 10(-3.45,-1.625) 11(-3.45,-2.275) 12(-3.45,-2.925) 13(-3.45,-3.575) 14(-3.45,-4.225) 15(3.45,-4.225) 16(3.45,-3.575) 17(3.45,-2.925) 18(3.45,-2.275) 19(3.45,-1.625) 20(3.45,-0.975) 21(3.45,-0.325) 22(3.45,0.325) 23(3.45,0.975) 24(3.45,1.625) 25(3.45,2.275) 26(3.45,2.925) 27(3.45,3.575) 28(3.45,4.225)
  silkscreen extent -3.57,-5.25 2,5.25, body extent -2.8,-5.25 2.8,5.25, height 2
TDK-ALT3232_V [mm] "SMD, 6-Leads, Body 3.2x3.2mm"
  rect 0.85x0.41 smd: 1(-1.325,-1.35) 2(-1.325,-0.7) 3(-1.325,1.35) 4(1.325,1.35) 5(1.325,0.7) 6(1.325,-1.35)
  silkscreen extent -2.42,-1.6 1.6,1.6, body extent -1.6,-1.6 1.6,1.6, height 2.9
TECO-640456-6_V [mm] "THD, 6-Leads, Body 15.24x5.72mm, Pitch 2.54mm"
  rect 1.8x1.8 hole 1.3: 1(0,0)
  round 1.8 hole 1.3: 2(2.54,0) 3(5.08,0) 4(7.62,0) 5(10.16,0) 6(12.7,0)
  silkscreen extent -1.27,-2.54 13.97,3.18, body extent -1.27,-2.54 13.97,3.18, height 10.03
"Tekercs_B82479-A1473-M - duplicate" [mm]
  rect 2.92x2.85 smd: 1(-7.19,0) 2(7.19,0)
  silkscreen extent -9.18,-7.62 9.05,7.62
Tekercs_E65_FERRITE [mil]
  round 190 hole 150: 1(-700,0) 2(700,0)
  silkscreen extent -550,-1300 550,1300
Terminal_PCB_7798 [mil]
  round 130 hole 100: 1(-215,0) 1(-210,-205) 1(-210,205) 1(210,0) 1(215,-205) 1(215,205)
  silkscreen extent -295,-295 295,285
Test_Point [mil]
  rrect50% 40x40 hole 30: 7(0,0)